# Altium PCB PDM.PcbDoc (part 3 of 4)
Units mm, origin at the board's own origin, x right, y up, seen from the top; angles counter-clockwise.
Board outline 90.17 x 95.89 mm, 6 copper layers (Top Layer (SIG), Layer 1 (GND), Layer 3 (SIG), Layer 4 (PWR), Layer (GND), Bottom Layer (SIG)), stack 0.816 mm thick; 331 components, 196 nets, 1111 pads, 817 vias.
Unrouted connection lines stored in the file: 2.
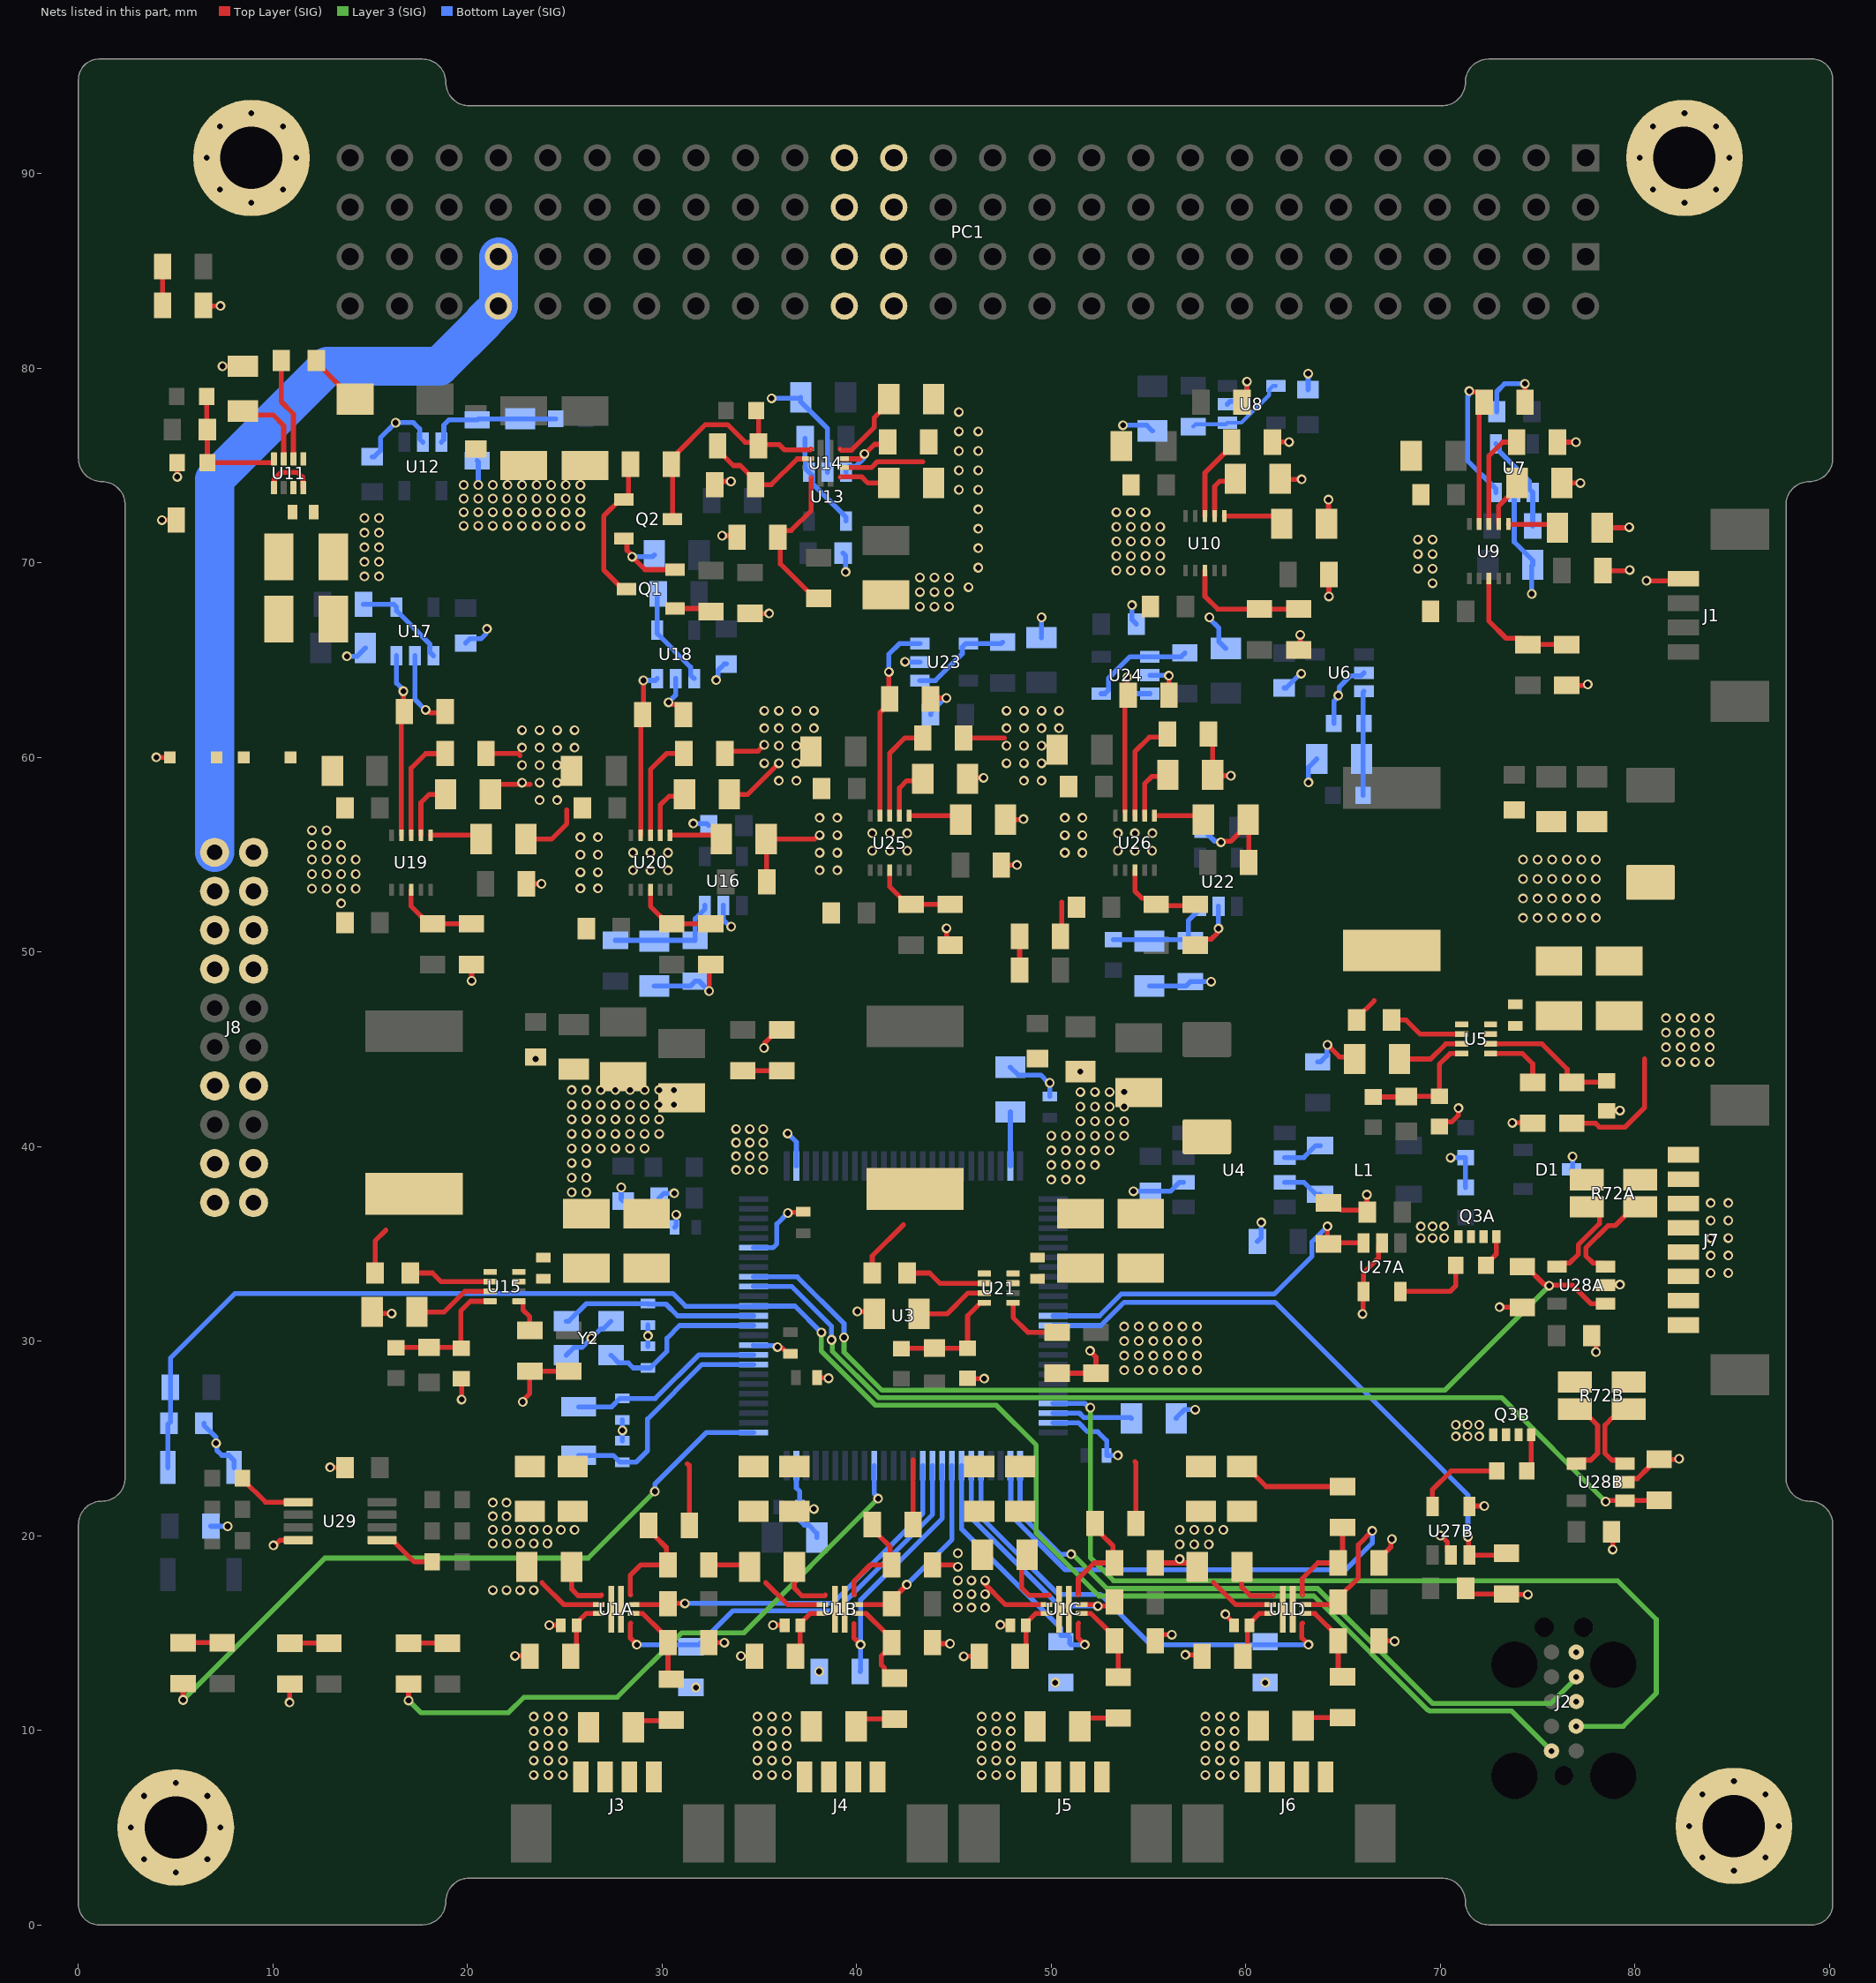
[diagram p7: the nets of this part, all layers, seen from the top]

## Via types
v1: diameter 0.5, hole 0.3, Top Layer (SIG) to Bottom Layer (SIG), tented both sides, 785 vias
v2: diameter 0.5, hole 0.3, Top Layer (SIG) to Bottom Layer (SIG), 32 vias

## Nets (pads, with @x,y where several pads share a name; then routed paths per layer and width w, separated by ;. In a path a pad name is that pad's centre, name@x,y a point inside that pad or via, vN(x,y) a via of type N, cw(c..) or ccw(c..) an arc to the next point about the centre after c; other vN are vias at no path point) (continued)
GND: C1A.1 C1B.1 C1C.1 C1D.1 C2A.1 C2B.1 C2C.1 C2D.1 C3A.1 C3B.1 C3C.1 C3D.1 C4.1 C5.1 C6.1 C7.1 C8.1 C9.1 C10.1 C11.1 C12.1 C13.1 C14.1 C15.1 C16.1 C17.1 C18.1 C19.1 C20.1 C21.1 C22.1 C23.2 C24.1 C25.1 C26.1 C27.1 C28.1 C29.1 C31.2 C32.1 C33.1 C34.1 C36.1 C37.1 C38.1 C39.1 C40.1 C41.1 C42.1 C43.1 C44.1 C45.1 C46.1 C48.1 C49.1 C50.1 C52.1 C53.1 C54.1 C55.1 C56.1 C57.1 C58.1 C60.1 C61.1 C62.1 C63.1 C65.1 C66.1 C67.1 C68.1 C69.1 C70.1 C71.1 C72.1 C73.1 C74.1 C75.1 C77.2 C78.1 C79.1 C80.1 C82.1 C83.1 C84.1 C85.1 C86.1 C87.1 C88A.1 C88B.1 C89A.1 C89B.1 C90.1 C91.1 C92.1 C93.1 C94.1 C101A.1 C101B.1 C101C.1 C101D.1 C102.1 C103.1 C104.1 C105.1 C106.1 C107.1 C108.1 C109.1 C110.1 C111.1 C112.1 C113.1 C114.1 C115.1 C116.1 C117.1 C118.1 C119.1 C120.1 C121.1 C122.1 C123.1 C124.1 C125.1 D1.3 D4.K D5.K D6.K D7.K D8.A D8A.1 D8B.1 D8C.1 D8D.1 D9.A J1.4 J2.3 J2.5 J3.1 J3.2 J4.1 J4.2 J5.1 J5.2 J6.1 J6.2 J8.5 J8.6 J8.7 J8.8 J8.13 J8.14 J8.17 J8.19 MECH1.1 MECH2.1 MECH3.1 MECH4.1 PC1.A29 PC1.A30 PC1.A31 PC1.A32 PC1.B29 PC1.B30 PC1.B31 PC1.B32 Q1.S Q2.S Q3A.S Q3B.S R2A.1 R2B.1 R2C.1 R2D.1 R4A.1 R4B.1 R4C.1 R4D.1 R6A.1 R6B.1 R6C.1 R6D.1 R8.1 R10.1 R11.2 R16.1 R17.1 R19.1 R21.1 R23.1 R24.1 R25.1 R26.1 R27.1 R29.1 R32.1 R36.1 R39.1 R41.1 R43.1 R44.1 R46.1 R48.1 R50.1 R52.1 R53.1 R54.1 R55.1 R57.1 R58.1 R60.1 R62.1 R64.1 R66.1 R67.1 R68.1 R69.1 R70A.1 R70B.1 R73A.1 R73B.1 R80.1 R81.1 R83.1 R84.1 R85.1 R86.1 R87.1 R88.1 R89.1 R90.1 R91.1 R92.1 R93.1 R100A.1 R100B.1 R100C.1 R100D.1 S2.2 U1A.8 U1B.8 U1C.8 U1D.8 U3.10 U3.20 U3.27 U3.74 U3.99 U4.2 U5.4 U6.2 U7.2 U8.2 U9.11 U10.11 U11.1 U11.4 U12.2 U13.2 U14.8 U15.4 U16.2 U17.2 U18.2 U19.11 U20.11 U21.4 U22.2 U23.2 U24.2 U25.11 U26.11 U27A.2 U27A.4 U27B.2 U27B.4 U28A.2 U28B.2 U29.4 Y2.2 Y2.4 | length 245.6
  Top Layer (SIG) w0.254: v1(4,60) 4.699,60 D9.A@4.7,60.001 ; v1(4.289,72.195) 5.02,72.195 R84.1@5.025,72.2 ; R32.1@5.076,75.15 5.081,75.145 v1(5.081,74.414) ; D5.K@6.425,83.228 6.453,83.2 v1(7.3,83.2) ; v1(7.4,80.1) C46.1@8.45,80.1 ; v1(10.023,19.5) 10.09,19.5 10.35,19.76 11.285,19.76 U29.4@11.3,19.775 ; U11.1@10.05,73.86 10.073,73.883 10.073,74.321 10.395,74.643 11.276,74.643 11.527,74.392 11.527,73.883 U11.4@11.55,73.86 ; v1(10.85,11.425) 10.85,12.359 D4.K@10.866,12.375 ; v1@12.966,23.552 13.004,23.515 13.69,23.515 C90.1@13.728,23.552 ; C58.1@15.1,31.5 15.182,31.418 v1(16.102,31.418) ; v1(17.845,62.442) 17.912,62.442 18.068,62.286 18.783,62.286 R54.1@18.852,62.355 ; R46.1@19.675,28.076 19.696,28.055 v1(19.696,26.997) ; R48.1@20.2,49.35 20.21,49.34 v1(20.21,48.518) ; R52.1@20.95,60.2 22.6,60.2 22.7,60.1 ; C67.1@21.175,58.1 21.175,58.2 21.598,58.623 23.221,58.623 ; v1(22.435,13.818) R4A.1@23.035,13.818 ; v1(22.835,26.877) 22.835,26.944 23.2,27.309 R44.1@23.2,28.45 R86.1@25.2,28.45 ; C69.1@23,55.8 24.315,55.8 25.1,56.585 25.1,57.3 ; R88.1@23.025,53.5 v1(23.8,53.5) ; 23.824,17.588 24.962,16.45 U1A.8@26.736,16.45 ; v1(24.2,15.4) D8A.1@24.8,15.4 ; Q2.S@28.193,71.25 28.193,70.644 28.459,70.378 v1(28.459,70.312) 29.121,69.65 Q1.S@30.666,69.65 ; v1(30.329,62.828) 30.396,62.828 30.501,62.723 30.777,62.723 31.1,62.4 R55.1@31.1,62.2 ; R2A.1@32.4,14.5 v1(33.2,14.5) ; R6A.1@32.4,18.5 34.4,18.5 C3B.1@34.5,18.4 ; v1(32.416,47.991) 32.416,49.266 R50.1@32.5,49.35 ; R36.1@32.7,74.016 32.868,74.184 v1(33.533,74.184) ; v1(33.084,71.395) 33.772,71.395 R41.1@33.85,71.316 ; R53.1@33.225,60.2 33.345,60.32 34.928,60.32 v1(35.254,60.646) ; C68.1@33.45,58.1 34.4,58.1 v1(36,59.7) ; v1@34,13.8 R4B.1@34.75,13.8 ; R85.1@34.516,67.4 v1(35.5,67.4) ; v1(35.241,45.066) 35.288,45.113 35.288,45.338 35.95,46 D6.K@36.15,46 ; 35.324,17.588 36.462,16.45 U1B.8@38.236,16.45 ; R89.1@35.375,53.6 35.375,55.775 C70.1@35.35,55.8 37.833,55.8 38.033,56 v1(38.1,56) ; v1(35.7,15.4) D8B.1@36.3,15.4 ; v1(35.93,29.699) 35.977,29.652 36.173,29.652 36.475,29.35 C12.1@36.6,29.35 ; v1(36.46,36.583) 36.49,36.613 37.213,36.613 C18.1@37.243,36.643 ; C13.1@37.975,28.125 37.992,28.108 38.538,28.108 v1(38.556,28.091) ; U14.8@39.3,74.891 40.753,74.891 41.062,75.2 43.4,75.2 ; v1(40.039,31.524) 40.776,31.524 C75.1@40.9,31.4 ; R39.1@43.7,76.216 R39.1@43.713,76.203 ; R68.1@43.8,63 43.849,63.049 v1(44.613,63.049) ; R2B.1@43.9,14.5 43.951,14.449 v1(44.799,14.449) ; R6B.1@43.9,18.5 v1@45,18.5 ; v1(44.621,51.218) 44.621,50.529 R62.1@44.8,50.35 ; v1(45.5,13.8) R4C.1@46.3,13.8 ; R66.1@45.5,61 47.6,61 ; R60.1@45.7,28.088 45.717,28.071 v1(46.557,28.071) ; C84.1@45.7,58.9 45.75,58.95 v1(46.525,58.95) ; v1@46.508,17.592 47.65,16.45 U1C.8@49.761,16.45 ; R90.1@47.433,54.466 v1(48.241,54.466) v1@48.25,54.475 ; v1@47.5,15.4 D8C.1@47.9,15.4 ; C86.1@47.65,56.8 48.55,56.8 v1(48.575,56.825) ; R58.1@50.3,28.35 R87.1@52.3,28.35 52.3,29.181 52,29.481 v1(52,29.5) ; D7.K@50.475,50.8 50.55,50.875 50.55,52.557 ; R2C.1@55.35,14.6 55.657,14.907 v1(56.2,14.907) ; R6C.1@55.35,18.6 57.3,18.6 C3D.1@57.5,18.4 ; v1(56.05,64.2) 56.05,63.08 R69.1@56.373,62.757 ; v1(56.9,13.875) 57.675,13.875 R4D.1@57.75,13.8 ; R64.1@57.4,50.35 57.707,50.657 58.224,50.657 58.553,50.985 58.553,51.153 v1(58.6,51.2) ; R67.1@58.075,61.2 58.3,60.975 C85.1@58.3,59.1 58.342,59.058 v1(59.234,59.058) ; 58.349,17.588 59.487,16.45 U1D.8@61.261,16.45 ; v1(58.721,55.643) 58.768,55.69 59.24,55.69 60.125,56.575 C87.1@60.125,56.8 60.15,56.775 R91.1@60.15,54.6 ; v1@58.95,15.975 v1(58.95,15.963) 58.95,15.95 59.4,15.5 D8D.1@59.4,15.4 ; R27.1@59.8,78.25 60.062,78.512 v1(60.062,79.316) ; R25.1@61.375,76.2 61.387,76.212 v1(62.222,76.212) ; C39.1@61.766,74.312 61.787,74.291 v1(62.876,74.291) ; R23.1@62.725,65.525 62.8,65.6 v1(62.8,66.3) ; C41.1@64.15,72 64.25,72.1 v1(64.25,73.25) ; v1(64.2,45.225) 64.818,44.607 65.517,44.607 C29.1@65.6,44.524 ; R70A.1@64.25,37.1 64.573,36.777 64.87,36.777 64.922,36.725 66.15,36.725 C88A.1@66.225,36.65 ; v1(64.275,68.275) R93.1@64.275,69.4 ; v1(66,31.4) 66.025,31.425 66.025,32.525 U27A.4@66.05,32.55 66.05,33.5 66.817,34.267 66.817,34.867 U27A.2@67,35.05 ; v1(66.225,37.525) C88A.1@66.225,36.65 ; C88A.1@66.25,36.625 C88A.1@66.225,36.65 ; R2D.1@66.85,14.6 67.625,14.6 v1(67.65,14.575) ; R6D.1@66.85,18.6 66.85,18.8 67.458,19.408 67.458,19.78 v1(67.505,19.827) ; R19.1@69.95,41.026 70.187,41.262 70.582,41.262 70.924,41.604 70.924,41.962 v1(70.937,41.975) ; v1(70,20) 70.03,20 70.37,19.661 70.37,19.18 U27B.2@70.55,19 ; C88B.1@71.3,17.3 71.6,17 R70B.1@73.4,17 73.425,16.975 v1(74.5,16.975) ; U27B.4@71.5,21.5 71.524,21.524 v1(72.264,21.524) ; v1(73.045,31.742) 74.208,31.742 R73A.1@74.225,31.725 ; v1(73.698,41.22) 74.73,41.22 R17.1@74.75,41.2 ; R26.1@74.35,78.25 v1(74.35,79.2) ; R24.1@76.025,76.2 v1(76.975,76.2) ; C37.1@76.25,74.1 v1(77.2,74.1) ; R21.1@76.5,63.7 77.525,63.7 v1(77.575,63.75) ; C89A.1@77.775,30.275 77.997,30.053 v1(77.997,29.438) ; C40.1@78.325,71.8 79.678,71.8 v1(79.709,71.83) ; R92.1@78.35,69.6 79.703,69.6 v1(79.734,69.63) ; U28A.2@78.5,32.875 78.513,32.888 79.217,32.888 v1(79.229,32.9) ; R83.1@78.55,41.826 78.574,41.85 v1(79.229,41.85) ; C89B.1@78.8,20.2 78.864,20.136 v1(78.864,19.286) ; U28B.2@79.536,22.759 79.709,22.933 80.127,22.933 80.727,23.533 80.727,23.602 81.05,23.925 82.25,23.925 v1(82.275,23.95) ; v1(80.591,69.078) 82.403,69.078 J1.4@82.5,69.175
  Bottom Layer (SIG) w0.254: C20.1@6.45,25.775 6.45,25.675 7.075,25.05 v1(7.075,24.75) 7.105,24.72 7.105,24.395 7.368,24.132 7.727,24.132 8,23.859 S2.2@8,23.5 ; R8.1@6.8,20.5 6.817,20.483 v1(7.667,20.483) ; v1(13.8,65.2) 14.327,65.2 14.75,65.623 C91.1@14.75,65.625 ; C111.1@15.1,75.45 15.2,75.45 15.523,75.773 15.523,76.423 v1(16.3,77.2) ; v1@16.305,77.205 17.216,77.205 17.54,76.881 17.54,76.36 U12.2@17.7,76.2 ; U17.2@17.3,65.225 17.3,62.969 17.827,62.442 v1(17.845,62.442) ; C117.1@19.9,65.875 20.118,66.093 20.682,66.093 20.953,66.364 20.953,66.553 v1(21,66.6) ; R29.1@20.5,75.25 20.55,75.2 v1(20.55,74) ; C42.1@22.7,75.1 22.8,75 v1(22.8,74) ; Y2.4@25.073,29.275 25.471,29.673 25.886,29.673 v1(26.363,30.15) 26.84,30.627 26.975,30.627 Y2.2@27.373,31.025 ; v1(27.9,37.9) 27.9,37.3 C6.1@28,37.2 ; C23.2@27.959,24.875 v1(27.959,25.412) C21.1@27.959,25.95 ; v1(28.459,70.312) 29.512,70.312 C92.1@29.6,70.4 ; C24.1@29.273,29.725 v1(29.273,30.275) C22.1@29.273,30.825 ; C54.1@29.6,48.25 31.45,48.25 R43.1@31.7,48.5 31.9,48.5 32.409,47.991 v1(32.416,47.991) ; C4.1@29.85,37.35 30.1,37.6 v1(30.625,37.6) ; v1(30.329,62.828) 30.7,63.199 U18.2@30.7,64.05 ; C5.1@30.65,35.85 30.725,35.925 v1(30.725,36.5) ; v1(31.6,56.6) 32.3,56.6 C116.1@32.4,56.5 ; v1(32.782,63.975) 32.782,64.042 32.877,64.137 32.877,64.477 33.2,64.8 C118.1@33.3,64.8 ; U16.2@33.15,52.4 33.15,51.65 33.5,51.3 v1(33.55,51.3) ; U3.10@34.7,29.8 34.723,29.777 35.786,29.777 35.864,29.699 v1(35.93,29.699) ; U3.20@34.7,34.8 35.7,34.8 35.9,35 35.9,36.023 v1(36.46,36.583) ; v1(35.625,78.45) 37.075,78.45 C10.1@37.125,78.5 37.125,78.275 38.5,76.9 U13.2@38.5,74.65 ; v1(36.451,40.675) 36.9,40.226 U3.27@36.9,39 ; U3.99@36.9,23.6 36.9,22.449 37.075,22.274 C15.1@37.075,21.475 ; v1(37.8,21.375) 37.175,21.375 C15.1@37.075,21.475 ; C19.1@37.95,19.9 37.95,20.125 37.527,20.548 37.302,20.548 37.075,20.775 C15.1@37.075,21.475 ; C112.1@39.3,70.5 39.438,70.362 v1(39.438,69.525) ; v1@42.475,64.925 42.5,64.9 U23.2@43.25,64.9 ; C120.1@43.8,62.2 43.8,62.3 44.549,63.049 v1(44.613,63.049) ; C9.1@47.9,44.075 48.3,43.675 49.458,43.675 49.858,43.275 v1(49.925,43.275) C14.1@49.925,42.575 ; C93.1@49.5,66.15 v1(49.5,67.2) ; U3.74@50.1,25.8 51.407,25.8 51.866,25.34 52.39,25.34 52.85,24.881 C17.1@52.85,24.125 v1(53.425,24.125) v1@53.45,24.15 ; v1(53.686,77.07) 54.905,77.07 C8.1@55.2,76.775 ; v1(54.15,67.825) 54.15,67.075 C121.1@54.375,66.85 ; v1(54.225,37.7) C16.1@55.1,37.7 56.13,37.7 56.595,38.165 U4.2@56.795,38.165 ; C72.1@55.05,48.25 56.925,48.25 R57.1@57.15,48.475 57.152,48.473 v1(58.217,48.473) ; U24.2@55.072,64.225 56.025,64.225 v1(56.05,64.2) ; C11.1@56.425,26.025 56.425,26.052 56.848,26.475 v1(57.4,26.475) ; C119.1@57.8,56.4 57.8,56.3 58.41,55.69 58.674,55.69 v1(58.721,55.643) ; v1(58.136,67.196) 58.136,67.13 58.616,66.649 58.616,65.959 C94.1@58.975,65.6 ; v1(58.6,51.2) U22.2@58.6,52.35 ; U8.2@59.05,78.15 59.207,78.307 59.737,78.307 60.062,78.633 v1(60.062,79.316) ; R81.1@60.599,35.122 60.8,35.323 v1(60.8,36.1) ; C113.1@61.975,63.568 62.075,63.568 62.807,64.3 v1@62.9,64.3 ; C114.1@63.2,78.9 63.209,78.909 v1(63.209,79.725) ; v1(63.225,58.712) 63.227,58.714 63.227,59.495 C25.1@63.65,59.918 ; R80.1@63.7,44.35 63.842,44.35 64.165,44.673 64.165,45.19 v1(64.2,45.225) ; R16.1@64.525,61.743 64.525,62.879 64.76,63.113 v1(64.76,63.18) 64.807,63.227 64.807,63.616 65.384,64.193 65.926,64.193 U6.2@66.075,64.343 ; v1(70.529,39.427) 71.298,39.427 R11.2@71.3,39.425 R10.1@71.3,37.9 ; C115.1@72.9,77.768 72.9,78.8 73.3,79.2 v1(74.35,79.2) ; U7.2@73.8,73.618 73.8,71.068 74.75,70.118 C7.1@74.75,69.893 74.7,69.843 v1(74.7,68.4) ; D1.3@76.75,38.825 76.798,38.873 v1(76.798,39.484)
  other v1: 23.4,7.7 24.15,7.7 24.9,7.7 34.9,7.7 35.65,7.7 36.4,7.7 46.425,7.7 47.175,7.7 47.925,7.7 57.925,7.7 58.675,7.7 59.425,7.7 23.4,8.45 24.15,8.45 24.9,8.45 34.9,8.45 35.65,8.45 36.4,8.45 46.425,8.45 47.175,8.45 47.925,8.45 57.925,8.45 58.675,8.45 59.425,8.45 23.4,9.2 24.15,9.2 24.9,9.2 34.9,9.2 35.65,9.2 36.4,9.2 46.425,9.2 47.175,9.2 47.925,9.2 57.925,9.2 58.675,9.2 59.425,9.2 23.4,9.95 24.15,9.95 24.9,9.95 34.9,9.95 35.65,9.95 36.4,9.95 46.425,9.95 47.175,9.95 47.925,9.95 57.925,9.95 58.675,9.95 59.425,9.95 23.4,10.7 24.15,10.7 24.9,10.7 34.9,10.7 35.65,10.7 36.4,10.7 46.425,10.7 47.175,10.7 47.925,10.7 57.925,10.7 58.675,10.7 59.425,10.7 76.985,11.475 31.734,12.195 50.204,12.449 61,12.45 38.075,13.021 34.05,13.817 76.985,14.015 47.386,15.416 45.2,16.3 45.9,16.3 46.6,16.3 45.2,17 45.9,17 46.6,17 21.3,17.2 22,17.2 22.7,17.2 23.4,17.2 45.2,17.7 45.9,17.7 46.6,17.7 45.2,18.4 56.6,18.8 45.2,19.1 56.6,19.55 57.35,19.55 58.1,19.55 21.3,19.6 22,19.6 22.7,19.6 23.4,19.6 24.1,19.6 21.3,20.3 22,20.3 22.7,20.3 23.4,20.3 24.1,20.3 24.8,20.3 25.5,20.3 56.6,20.3 57.35,20.3 58.1,20.3 58.85,20.3 21.3,21 22,21 21.3,21.7 22,21.7 12.938,23.515 70.8,25.1 71.4,25.1 72,25.1 70.8,25.7 71.4,25.7 72,25.7 69,35.3 69.6,35.3 70.2,35.3 69,35.9 69.6,35.9 70.2,35.9 25.35,37.65 26.1,37.65 50,38.3 50.75,38.3 51.5,38.3 25.35,38.4 26.1,38.4 50,39.05 50.75,39.05 51.5,39.05 52.25,39.05 25.35,39.15 26.1,39.15 50,39.8 50.75,39.8 51.5,39.8 52.25,39.8 53,39.8 25.35,39.9 26.1,39.9 26.85,39.9 27.6,39.9 28.35,39.9 29.1,39.9 50,40.55 50.75,40.55 51.5,40.55 52.25,40.55 53,40.55 53.75,40.55 25.35,40.65 26.1,40.65 26.85,40.65 27.6,40.65 28.35,40.65 29.1,40.65 29.85,40.65 51.5,41.3 52.25,41.3 53,41.3 53.75,41.3 25.35,41.4 26.1,41.4 26.85,41.4 27.6,41.4 28.35,41.4 29.1,41.4 29.85,41.4 51.5,42.05 52.25,42.05 53,42.05 53.75,42.05 25.35,42.15 26.1,42.15 26.85,42.15 27.6,42.15 28.35,42.15 29.1,42.15 29.85,42.15 30.6,42.15 51.5,42.8 52.25,42.8 53,42.8 53.75,42.8 25.35,42.9 26.1,42.9 26.85,42.9 27.6,42.9 28.35,42.9 29.1,42.9 29.85,42.9 30.6,42.9 51.5,43.85 23.5,44.5 74.25,51.75 75,51.75 75.75,51.75 76.5,51.75 77.25,51.75 78,51.75 13.5,52.5 74.25,52.75 75,52.75 75.75,52.75 76.5,52.75 77.25,52.75 78,52.75 12,53.25 12.75,53.25 13.5,53.25 14.25,53.25 25.8,53.266 26.7,53.266 74.25,53.75 75,53.75 75.75,53.75 76.5,53.75 77.25,53.75 78,53.75 12,54 12.75,54 13.5,54 14.25,54 25.8,54.1 26.7,54.1 28.5,54.2 29.4,54.2 30.3,54.2 38.1,54.2 39,54.2 12,54.75 12.75,54.75 13.5,54.75 14.25,54.75 74.25,54.75 75,54.75 75.75,54.75 76.5,54.75 77.25,54.75 78,54.75 25.8,55 26.7,55 28.5,55.1 29.4,55.1 30.3,55.1 38.1,55.1 39,55.1 50.7,55.1 51.6,55.1 40.8,55.2 41.7,55.2 42.6,55.2 53.426,55.2 54.3,55.2 55.189,55.2 12,55.5 12.75,55.5 13.5,55.5 25.8,55.9 26.7,55.9 39,56 50.7,56 51.6,56 40.8,56.1 41.7,56.1 42.6,56.1 53.426,56.1 54.3,56.1 55.2,56.1 12,56.25 12.75,56.25 38.1,56.9 39,56.9 50.7,56.9 51.6,56.9 23.7,57.8 24.6,57.8 22.8,58.7 23.7,58.7 24.6,58.7 36,58.8 36.9,58.8 48.6,58.8 49.5,58.8 22.8,59.6 23.7,59.6 24.6,59.6 35.254,59.7 36.9,59.7 47.7,59.7 48.6,59.7 49.5,59.7 22.8,60.5 23.7,60.5 24.6,60.5 25.5,60.5 36,60.6 36.9,60.6 47.7,60.6 48.6,60.6 49.5,60.6 22.8,61.4 23.7,61.4 24.6,61.4 25.5,61.4 35.254,61.5 36,61.5 36.9,61.5 37.8,61.5 47.7,61.5 48.6,61.5 49.5,61.5 50.4,61.5 35.254,62.4 36,62.4 36.9,62.4 37.8,62.4 47.7,62.4 48.6,62.4 49.5,62.4 50.4,62.4 62.854,64.3 42.488,64.913 43.25,67.75 44,67.75 44.75,67.75 43.25,68.5 44,68.5 44.75,68.5 45.75,68.75 69.6,68.95 43.25,69.25 44,69.25 44.75,69.25 14.7,69.3 15.45,69.3 53.35,69.6 54.1,69.6 54.85,69.6 55.6,69.6 68.85,69.7 69.6,69.7 46.25,69.75 14.7,70.05 15.45,70.05 53.35,70.35 54.1,70.35 54.85,70.35 55.6,70.35 68.85,70.45 69.6,70.45 46.25,70.75 14.7,70.8 15.45,70.8 53.35,71.1 54.1,71.1 54.85,71.1 55.6,71.1 68.85,71.2 69.6,71.2 14.7,71.55 15.45,71.55 46.25,71.75 53.35,71.85 54.1,71.85 54.85,71.85 55.6,71.85 19.8,71.9 20.55,71.9 21.3,71.9 22.05,71.9 22.8,71.9 23.55,71.9 24.3,71.9 25.05,71.9 25.8,71.9 14.7,72.3 15.45,72.3 19.8,72.6 20.55,72.6 21.3,72.6 22.05,72.6 22.8,72.6 23.55,72.6 24.3,72.6 25.05,72.6 25.8,72.6 53.35,72.6 54.1,72.6 54.85,72.6 46.25,72.75 19.8,73.3 20.55,73.3 21.3,73.3 22.05,73.3 22.8,73.3 23.55,73.3 24.3,73.3 25.05,73.3 25.8,73.3 45.25,73.75 46.25,73.75 19.8,74 21.3,74 22.05,74 23.55,74 24.3,74 25.05,74 25.8,74 45.25,74.75 46.25,74.75 45.25,75.75 46.25,75.75 45.25,76.75 46.25,76.75 45.25,77.75
  other v2: 5,2.7 85.09,2.78 3.374,3.374 6.626,3.374 83.464,3.454 86.716,3.454 2.7,5 7.3,5 82.79,5.08 87.39,5.08 3.374,6.626 6.626,6.626 83.464,6.706 86.716,6.706 5,7.3 85.09,7.38 8.89,88.51 82.55,88.51 7.264,89.184 10.516,89.184 80.924,89.184 84.176,89.184 6.59,90.81 11.19,90.81 80.25,90.81 84.85,90.81 7.264,92.436 10.516,92.436 80.924,92.436 84.176,92.436 8.89,93.11 82.55,93.11
HEATER1_IMON: R73B.2 U3.16 U28B.1 | length 51.9
  Top Layer (SIG) w0.254: v1(78.5,21.75) 78.55,21.8 U28B.1@79.5,21.8 81.225,21.8 R73B.2@81.25,21.825
  Layer 3 (SIG) w0.254: v1(38.71,30.063) 38.758,30.016 38.758,29.467 41.134,27.091 73.159,27.091 v1(78.5,21.75)
  Bottom Layer (SIG) w0.254: U3.16@34.7,32.8 36.668,32.8 38.71,30.758 v1(38.71,30.063)
HEATER1_PWM: R70B.2 U3.64 U27B.3 | length 31
  Top Layer (SIG) w0.254: v1(71.418,19.941) 71.459,19.9 71.459,19.041 U27B.3@71.5,19 73.3,19 R70B.2@73.4,19.1
  Bottom Layer (SIG) w0.254: U3.64@50.1,30.8 52.55,30.8 53.75,32 61.501,32 71.418,22.083 v1(71.418,19.941)
HEATER2_IMON: R73A.2 U3.17 U28A.1 | length 51.5
  Top Layer (SIG) w0.254: R73A.2@74.225,33.825 74.425,33.825 75.353,32.897 75.553,32.897 v1(75.6,32.85) 75.62,32.87 76.805,32.87 77.75,31.925 U28A.1@78.5,31.925
  Layer 3 (SIG) w0.254: v1(39.348,30.189) 39.348,29.431 41.304,27.475 70.225,27.475 v1(75.6,32.85)
  Bottom Layer (SIG) w0.254: U3.17@34.7,33.3 36.95,33.3 39.348,30.902 v1(39.348,30.189)
HEATER2_PWM: R70A.2 U3.63 U27A.3 | length 19.1
  Top Layer (SIG) w0.254: v1(64.2,35.9) 64.2,35.15 64.3,35.05 U27A.3@66.05,35.05
  Bottom Layer (SIG) w0.254: U3.63@50.1,31.3 52.487,31.3 53.601,32.414 61.457,32.414 63.406,34.363 63.406,35.106 v1(64.2,35.9)
I2C_EN: R74.1 U29.1 | length 3.4
  Top Layer (SIG) w0.254: R74.1@8.424,22.95 8.424,22.913 9.612,21.725 U29.1@11.3,21.725
IOCP_5V_ADCS: R68.2 U23.3 U25.9 | length 10.3
  Top Layer (SIG) w0.254: U25.9@41.2,57 41.2,62.3 41.7,62.8 R68.2@41.7,63 41.658,63.042 v1(41.658,64.394)
  Bottom Layer (SIG) w0.254: v1(41.658,64.394) 41.658,65.308 42.2,65.85 U23.3@43.25,65.85
IOCP_5V_AUX: R69.2 U24.3 U26.9 | length 8.8
  Top Layer (SIG) w0.254: U26.9@53.792,57.258 53.792,63.042 R69.2@53.95,63.2 53.9,63.25 v1(53.9,64.125) ; U26.9@53.793,57.173 U26.9@53.793,57.257
  Bottom Layer (SIG) w0.254: v1(53.9,64.125) 53.9,63.697 54.127,63.47 54.127,63.424 54.276,63.275 U24.3@55.072,63.275
IOCP_12V_ADCS: R55.2 U18.3 U20.9 | length 8.8
  Top Layer (SIG) w0.254: U20.9@28.9,56 28.9,62.1 29.04,62.24 v1(29.04,63.954)
  Bottom Layer (SIG) w0.254: v1(29.04,63.954) 29.654,63.954 U18.3@29.75,64.05
IOCP_PAYLOAD: R54.2 U17.3 U19.9 | length 9.5
  Top Layer (SIG) w0.254: U19.9@16.6,56 16.6,62.203 R54.2@16.752,62.355 16.7,62.407 v1(16.7,63.4)
  Bottom Layer (SIG) w0.254: U17.3@16.35,65.225 16.35,63.817 16.7,63.467 v1(16.7,63.4)
LED0: D2.K U3.1 | length 36.1
  Top Layer (SIG) w0.254: D2.K@5.371,12.409 D2.K@5.38,12.4 v1(5.38,11.559)
  Layer 3 (SIG) w0.254: v1(5.38,11.559) 12.672,18.85 26.2,18.85 v1(29.625,22.275)
  Bottom Layer (SIG) w0.254: v1(29.625,22.275) 29.625,22.65 32.275,25.3 U3.1@34.7,25.3
LED1: D3.K U3.91 | length 31.6
  Top Layer (SIG) w0.254: D3.K@16.957,12.384 D3.K@16.966,12.375 v1(16.966,11.534)
  Layer 3 (SIG) w0.254: v1(16.966,11.534) 17.6,10.9 22.1,10.9 22.9,11.7 27.7,11.7 31.007,15.007 34.208,15.007 v1(41.103,21.903)
  Bottom Layer (SIG) w0.254: U3.91@40.9,23.6 40.9,22.173 41.103,21.969 v1(41.103,21.903)
NetC3A_2: C3A.2 U1A.7 | length 2.8
  Top Layer (SIG) w0.254: C3A.2@25.35,18.4 25.35,17.25 25.677,16.923 26.859,16.923 U1A.7@26.886,16.95
NetC3B_2: C3B.2 U1B.7 | length 2.9
  Top Layer (SIG) w0.254: C3B.2@36.8,18.4 36.8,17.3 37.181,16.919 38.356,16.919 U1B.7@38.386,16.95
NetC3C_2: C3C.2 U1C.7 | length 2.7
  Top Layer (SIG) w0.254: C3C.2@48.35,18.4 48.469,18.281 48.469,17.331 48.874,16.926 49.888,16.926 U1C.7@49.911,16.95
NetC3D_2: C3D.2 U1D.7 | length 2.9
  Top Layer (SIG) w0.254: C3D.2@59.8,18.4 59.8,17.345 60.228,16.917 61.378,16.917 U1D.7@61.411,16.95
NetC9_2: C9.2 U3.49 | length 2.8
  Bottom Layer (SIG) w0.254: U3.49@47.9,39 C9.2@47.9,41.775
NetC11_2: C11.2 U3.73 | length 4.1
  Bottom Layer (SIG) w0.254: U3.73@50.1,26.3 51.45,26.3 51.673,26.077 54.073,26.077 C11.2@54.125,26.025
NetC21_2: C21.2 U3.9 Y1.1 | length 10.1
  Bottom Layer (SIG) w0.254: Y1.1@25.716,26.625 27.409,26.625 27.834,27.05 29.65,27.05 31.9,29.3 U3.9@34.7,29.3
NetC22_2: C22.2 U3.13 Y2.1 | length 10.3
  Bottom Layer (SIG) w0.254: Y2.1@25.073,31.025 25.198,31.025 26.098,31.925 C22.2@29.273,31.925 29.298,31.9 30.2,31.9 30.8,31.3 U3.13@34.7,31.3
NetC23_1: C23.1 U3.8 Y1.2 | length 12.3
  Bottom Layer (SIG) w0.254: Y1.2@25.716,24.125 27.484,24.125 27.834,23.775 C23.1@28.084,23.775 ; C23.1@27.959,23.775 28.656,23.775 29.25,24.369 29.25,26 32.05,28.8 U3.8@34.7,28.8
NetC24_2: C24.2 U3.12 Y2.3 | length 8.9
  Bottom Layer (SIG) w0.254: Y2.3@27.373,29.275 27.771,28.877 28.265,28.877 28.517,28.625 C24.2@29.273,28.625 29.398,28.625 30.25,29.477 30.25,30.15 30.9,30.8 U3.12@34.7,30.8
NetC25_2: C25.2 R15.1 R16.2 U6.3 | length 5.4
  Bottom Layer (SIG) w0.254: R15.1@66.025,58.043 66.025,63.343 U6.3@66.075,63.393
NetC29_2: C29.2 U5.7 | length 3.5
  Top Layer (SIG) w0.254: C29.2@67.9,44.5 69.5,44.5 70.275,45.275 U5.7@71.1,45.275
NetC30_1: C30.1 L2.1 U5.5 | length 1.4